# Altium PCB pcb_AGV_Control.PcbDoc (part 1 of 2)
Units mm, origin at the board's own origin, x right, y up, seen from the top; angles counter-clockwise.
Board outline 149.75 x 149.75 mm, 2 copper layers (Top Layer, Bottom Layer); 286 components, 239 nets, 906 pads, 160 vias.
Unrouted connection lines stored in the file: 6.
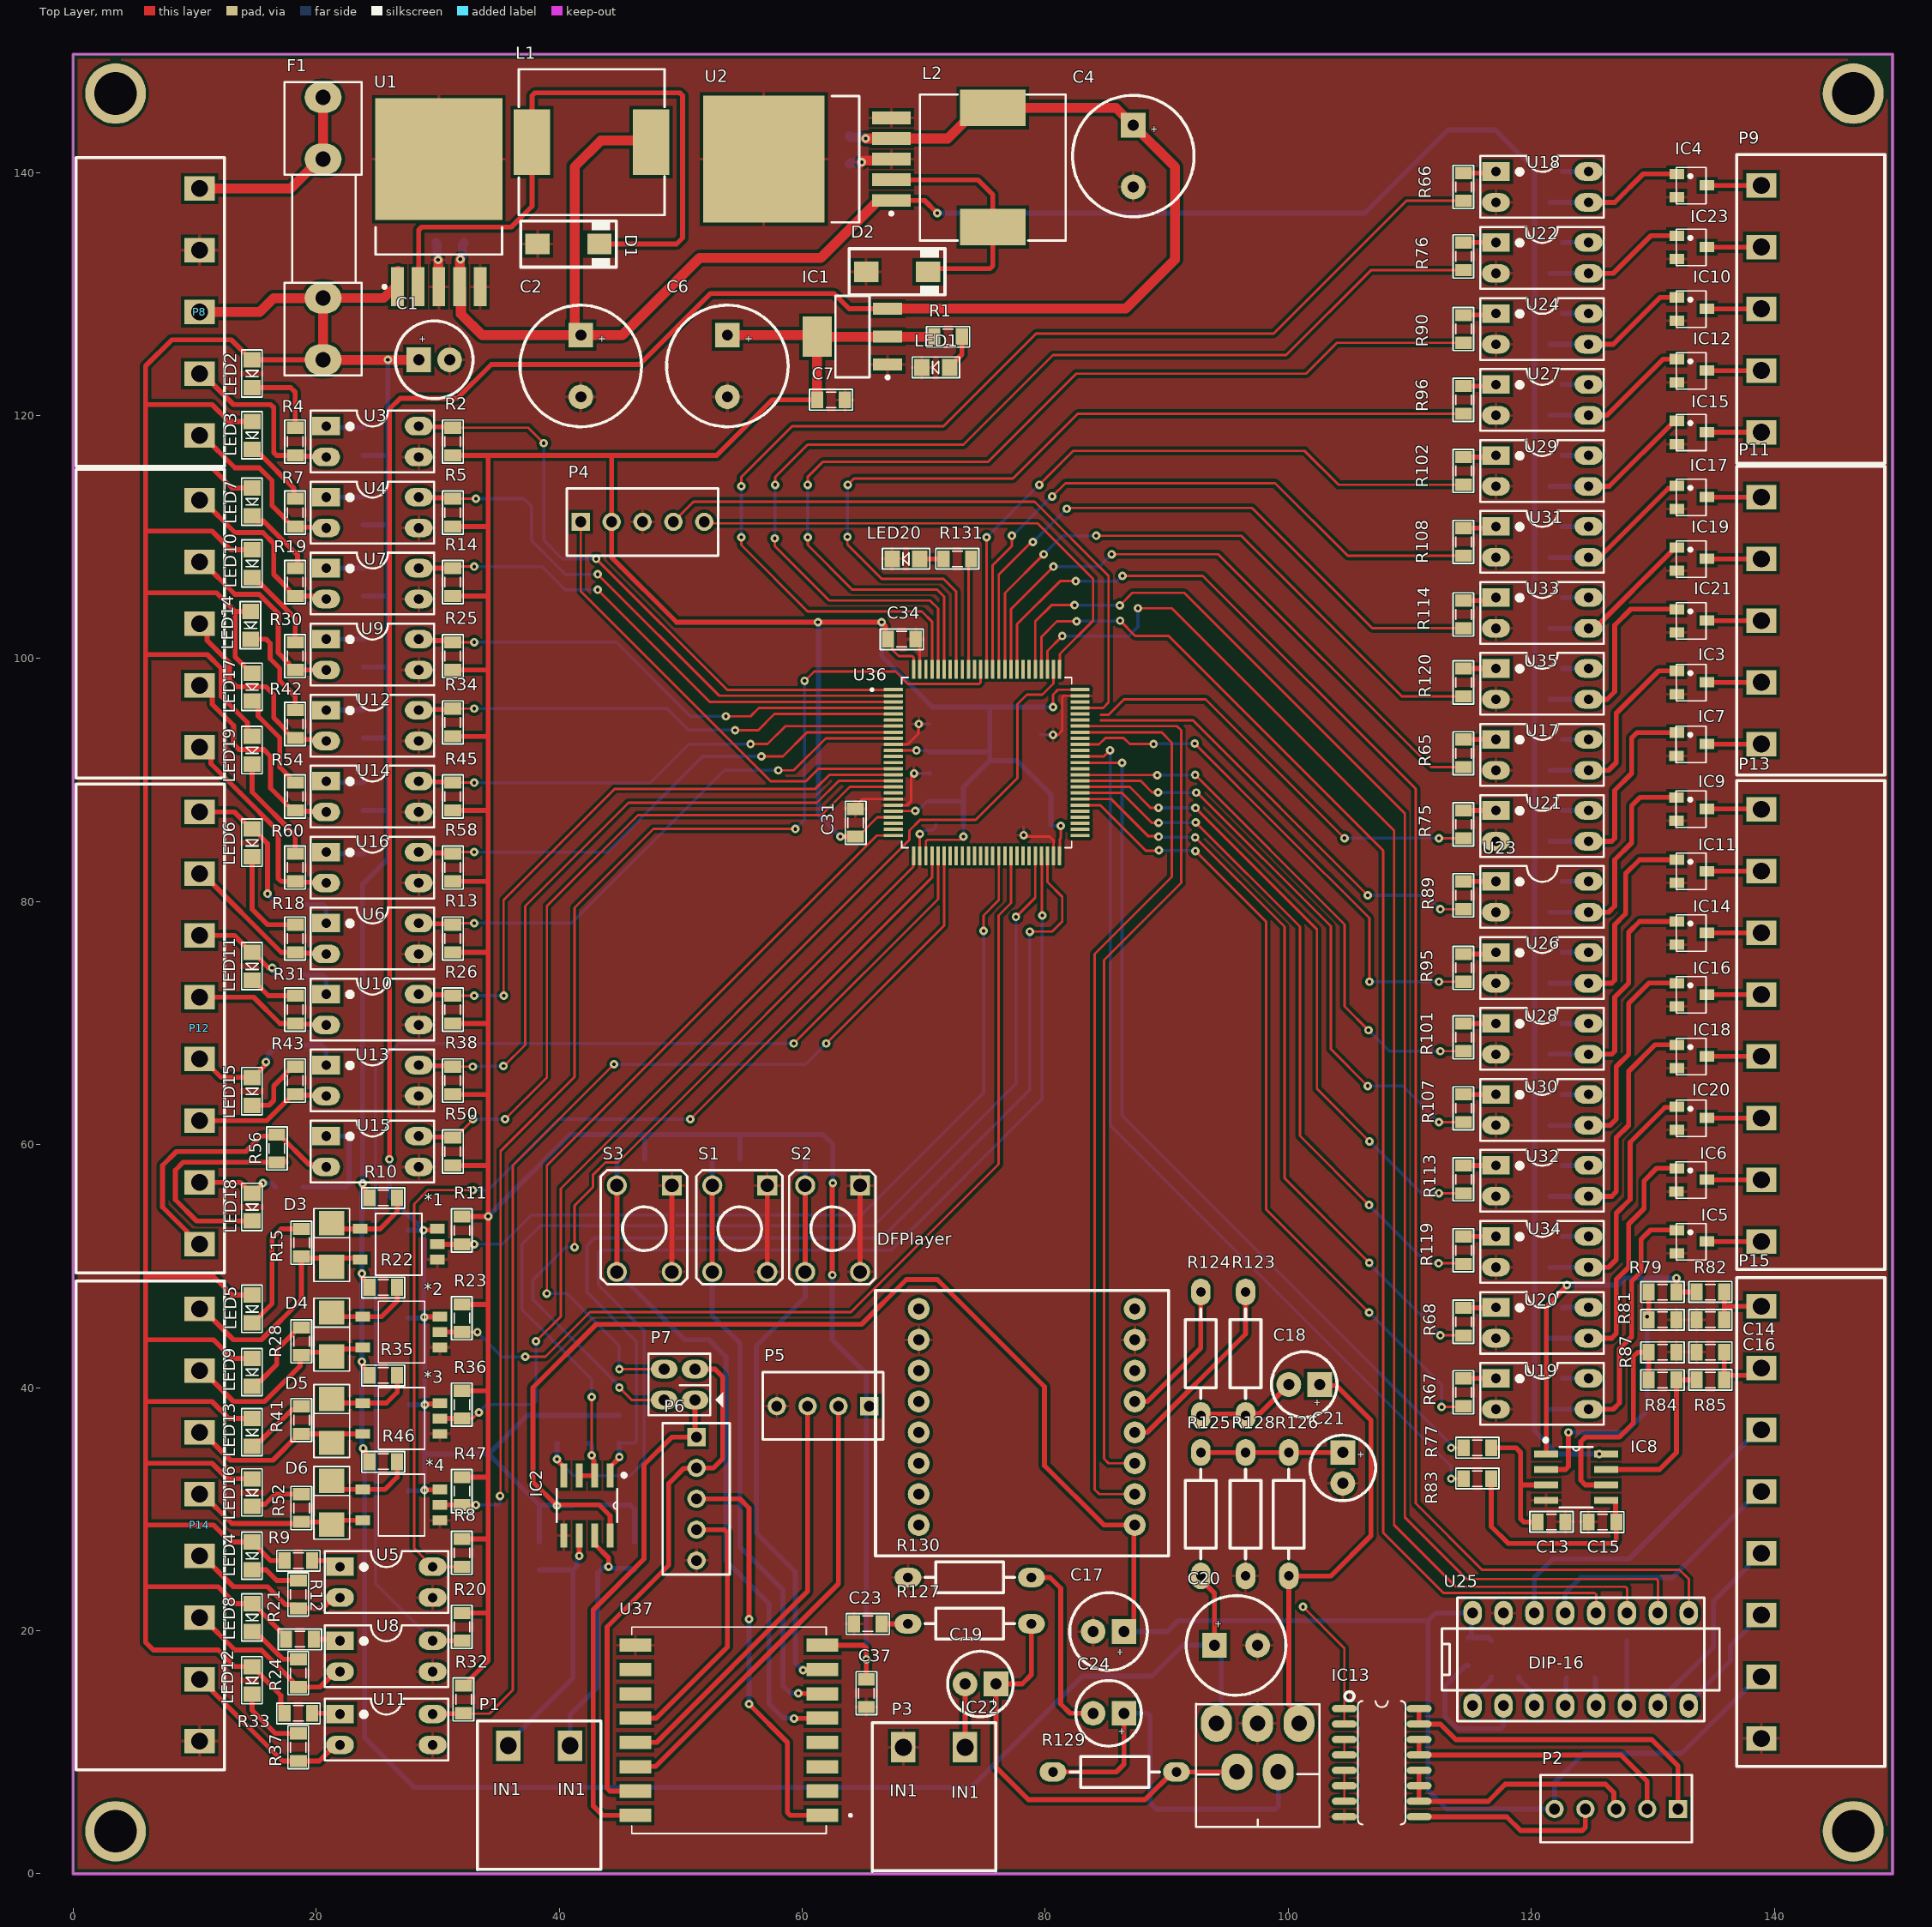
[diagram p0: Top Layer view]
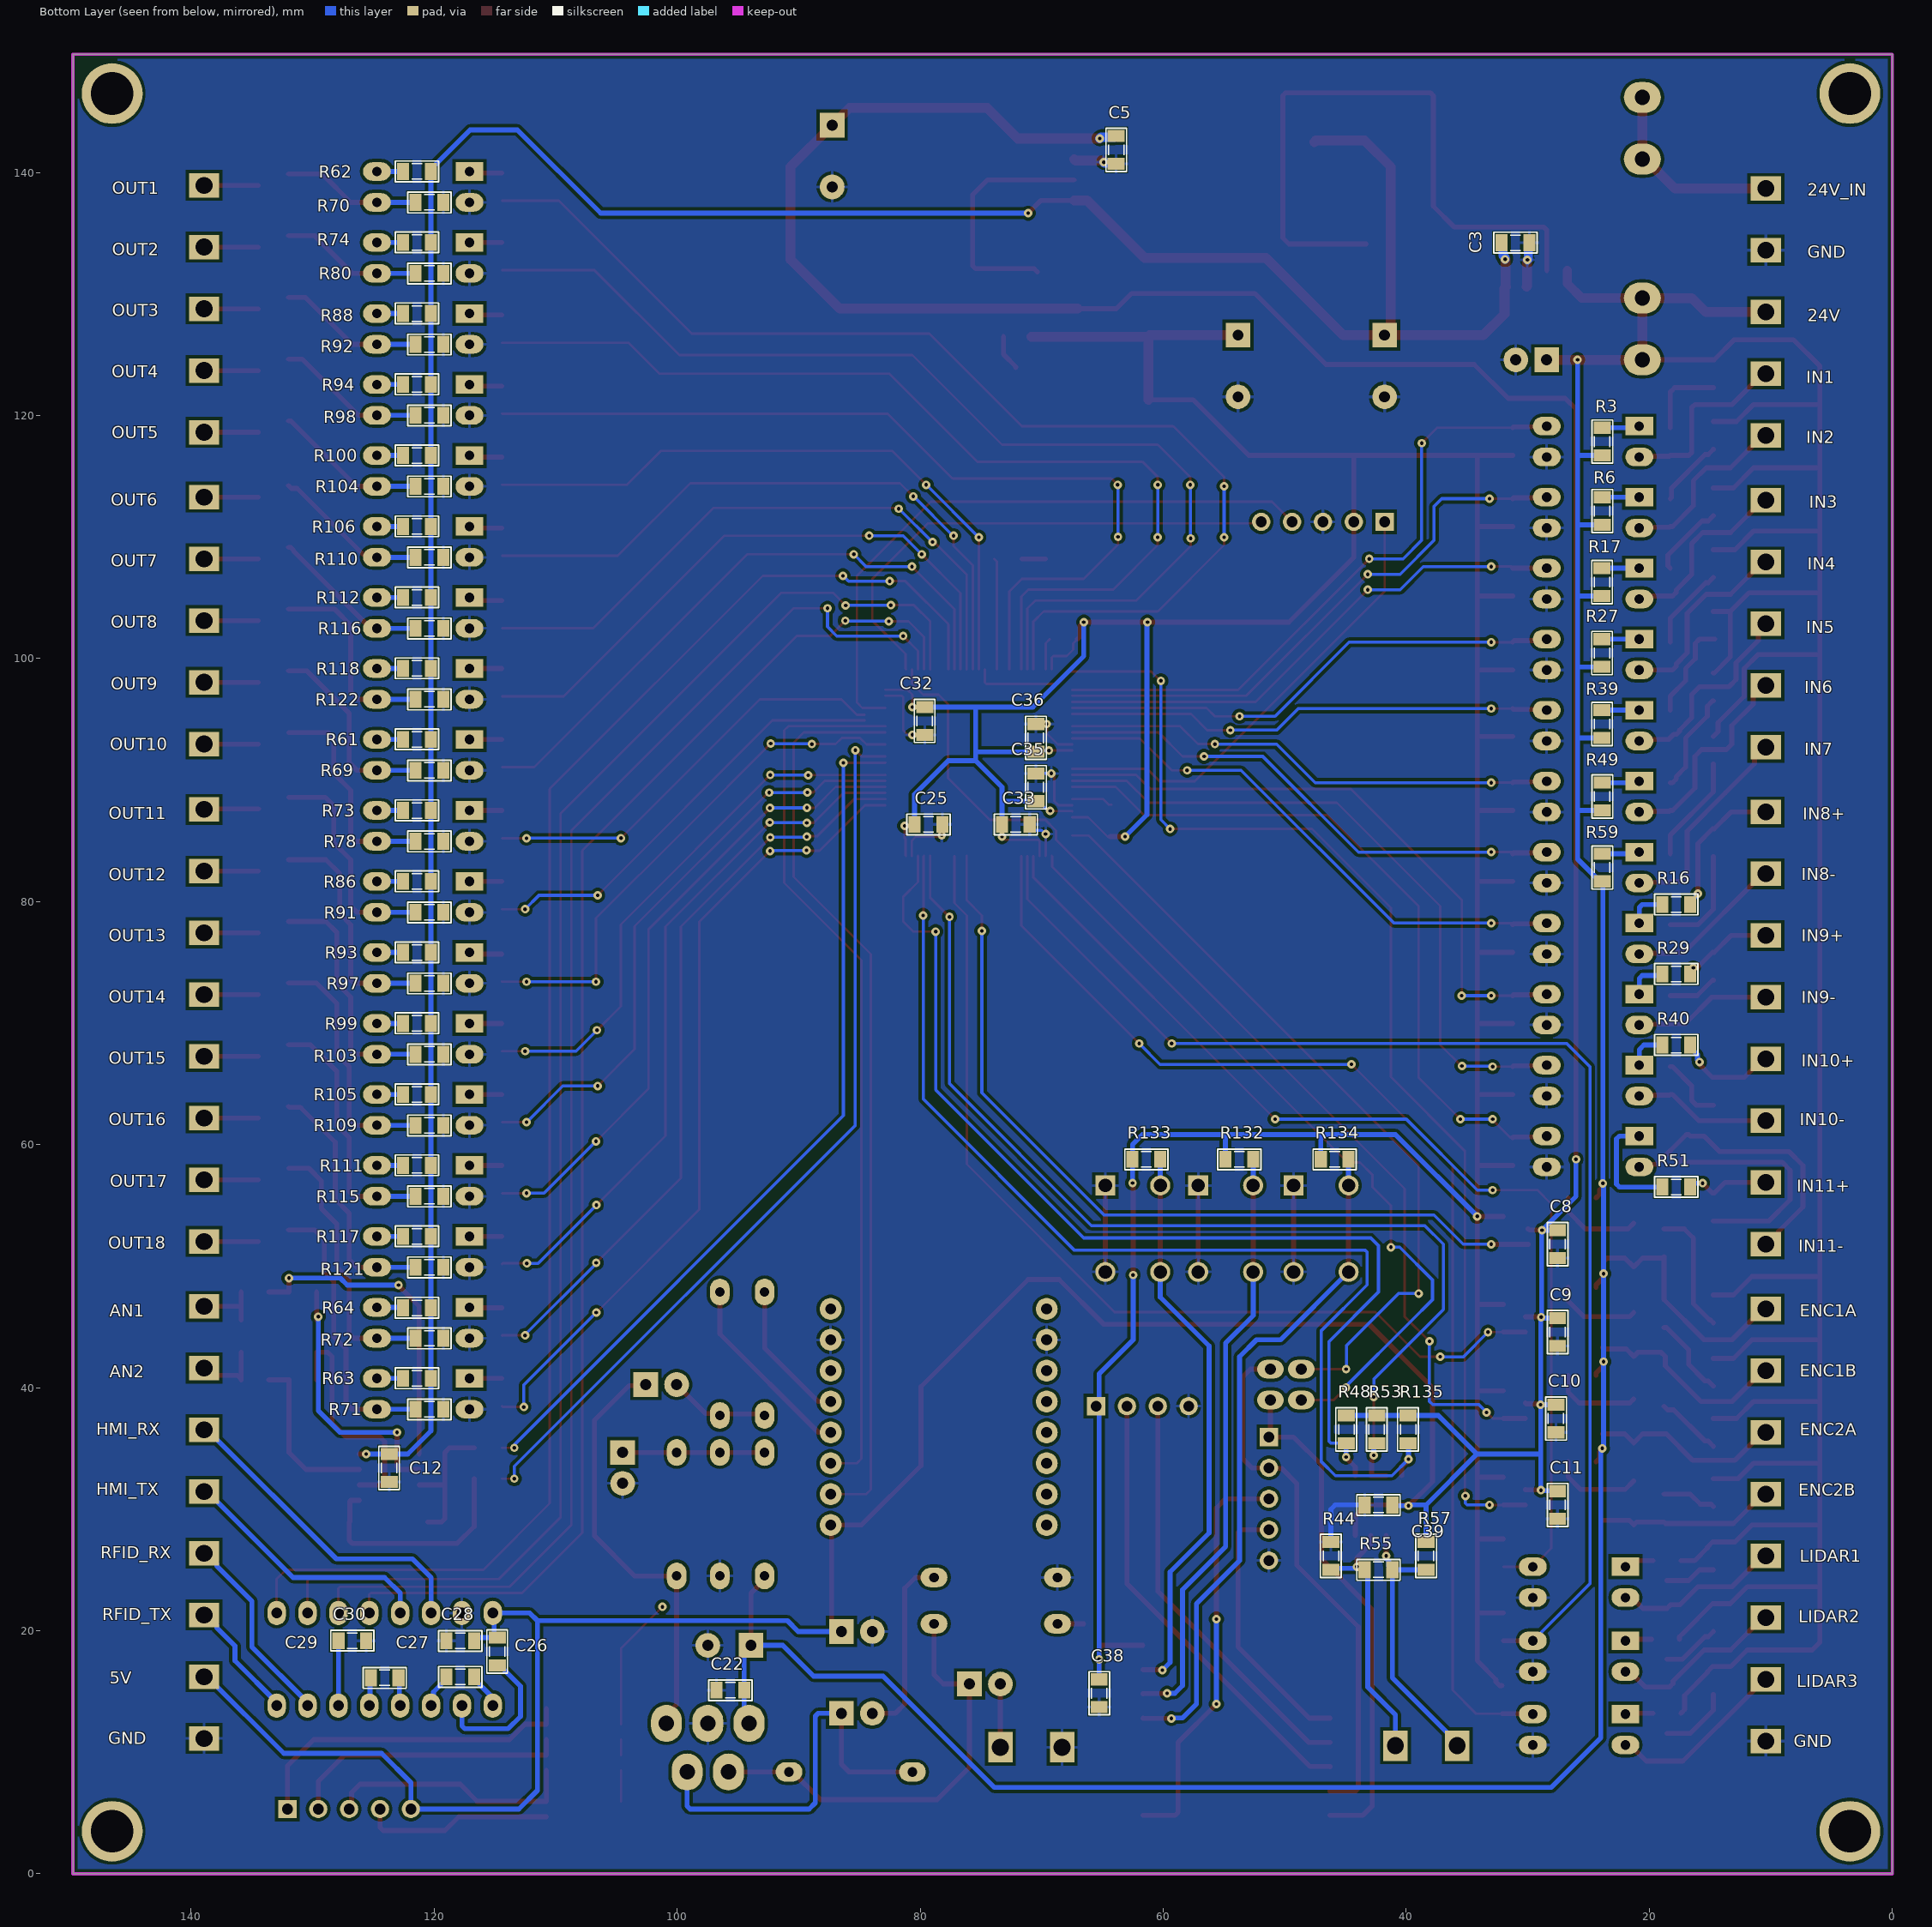
[diagram p1: Bottom Layer view, seen from below]

## Layer stack, top to bottom
Top Solder: solder mask 0.0102, Solder Resist, Dk 3.5
Top Layer: signal copper 0.0356
Dielectric 1: dielectric 0.32, FR-4, Dk 4.8
Bottom Layer: signal copper 0.0356
Bottom Solder: solder mask 0.0102, Solder Resist, Dk 3.5

## Board outline
-0.013,0 149.733,0 149.733,149.746 -0.013,149.746

## Design rules (kind name [scope] priority, off if disabled: settings)
Clearance [All] p1: gap=0.254 ignorepadtopadclearanceinfootprint=TRUE except(0.127: Arc-SMDPad Track-SMDPad; 0.33: Arc-THPad Track-THPad; 0.508: THPad-THPad Via-Via)
ComponentClearance [All] p1: gap=0.254 collisioncheckmode=3 verticalgap=0 showdistances=FALSE
Height [All] p1 off: minheight=0 maxheight=25.4 prefheight=12.7
HoleToHoleClearance [All] p1: gap=0.508 allowstackedmicrovias=TRUE
PolygonConnect [All] p1: connectstyle=Relief reliefconductorwidth=0.254 reliefentries=4 polygonreliefangle="90 Angle" airgapwidth=0.254
RoutingVias [All] p1: holewidth=0.3 width=0.7 viastyle="Through Hole" minholewidth=0.3 minwidth=0.7 maxholewidth=0.3 maxwidth=0.7
SilkToSolderMaskClearance [IsPad] p1: minsilkscreentomaskgap=0.152 clearancetoexposedcopper=TRUE
SolderMaskExpansion [All] p1: expansion=0.102 istentingtop=FALSE
UnRoutedNet [All] p1: checkbadconnections=TRUE
Width [All] p1: maxlimit=0.813 minlimit=0.203 preferedwidth=0.406 bottomlayer_minwidth=0.254 bottomlayer_maxwidth=0.762 minimp=50.000000 maximp=50.000000 favimp=50.000000
25 further rules are at their usual default settings.

## Classes and differential pairs
component class sch_AGV_Speaker: C17 C18 C19 C20 C21 C22 C23 C24 DFPlayer IC22 P3 R123 R124 R125 R126 R127 R128 R129 R130
component class sch_AGV_Power: C1 C2 C3 C4 C5 C6 C7 D1 D2 F1 IC1 L1 L2 LED1 R1 U1 U2
component class sch_AGV_Output: C12 C13 C14 C15 C16 C26 C27 C28 C29 C30 IC3 IC4 IC5 IC6 IC7 IC8 IC9 IC10 IC11 IC12 IC13 IC14 IC15 IC16 IC17 IC18 IC19 IC20 IC21 IC23 P2 R61 R62 R63 R64 R65 R66 R67 R68 R69 R70 R71 R72 R73 R74 R75 R76 R77 R78 R79 R80 R81 R82 R83 R84 R85 R86 R87 R88 R89 R90 R91 R92 R93 R94 R95 R96 R97 R98 R99 R100 R101 R102 R103 R104 R105 R106 R107 R108 R109 R110 R111 R112 R113 R114 R115 R116 R117 R118 R119 R120 R121 R122 U17 U18 U19 U20 U21 U22 U23 U24 U25 U26 U27 U28 U29 U30 U31 U32 U33 U34 U35
component class sch_AGV_MCU: C25 C31 C32 C33 C35 C36 LED20 P4 R131
component class sch_AGV_Input: *1 *2 *3 *4 C8 C9 C10 C11 C39 D3 D4 D5 D6 IC2 LED2 LED3 LED4 LED5 LED6 LED7 LED8 LED9 LED10 LED11 LED12 LED13 LED14 LED15 LED16 LED17 LED18 LED19 P1 R2 R3 R4 R5 R6 R7 R8 R9 R10 R11 R12 R13 R14 R15 R16 R17 R18 R19 R20 R21 R22 R23 R24 R25 R26 R27 R28 R29 R30 R31 R32 R33 R34 R35 R36 R37 R38 R39 R40 R41 R42 R43 R44 R45 R46 R47 R48 R49 R50 R51 R52 R53 R54 R55 R56 R57 R58 R59 R60 R135 U3 U4 U5 U6 U7 U8 U9 U10 U11 U12 U13 U14 U15 U16
component class sch_AGV_Header: P8 P9 P11 P13 P14 P15
component class sch_AGV_ESP: C37 C38 P5 P6 P7 R132 R133 R134 S1 S2 S3 U37

## Components (designator, comment, footprint, x,y, rotation, side; value= is the part's Value field where it differs from the comment)
*1 "TLP115A" SOP5 26.162,51.803 r270 top
*2 "TLP115A" SOP5 26.391,44.577 r270 top
*3 "TLP115A" SOP5 26.391,37.465 r270 top
*4 "TLP115A" SOP5 26.391,30.353 r270 top
C1 "35V-100uF" CAP_D6.3 28.448,124.587 r0 top
C2 "16V-1000uF" CAP_D10 41.783,126.619 r270 top
C3 "104" CAP_0805 31.014,134.217 r0 bottom value=33p
C4 "16V-1000uF" CAP_D10 87.249,143.891 r270 top
C5 "104" CAP_0805 63.881,141.859 r90 bottom value=33p
C6 "6.3V-220uF" CAP_D10 53.848,126.619 r270 top
C7 "104" CAP_0805 62.378,121.285 r180 top value=33p
C8 "104" CAP_0805 27.559,51.816 r90 bottom value=33p
C9 "104" CAP_0805 27.559,44.577 r90 bottom value=33p
C10 "104" CAP_0805 27.686,37.465 r90 bottom value=33p
C11 "104" CAP_0805 27.559,30.353 r90 bottom value=33p
C12 "1uF" CAP_0805 123.698,33.401 r270 bottom value=33p
C13 "10nF" CAP_0805 121.666,28.956 r180 top value=33p
C14 "10nF" CAP_0805 134.747,45.593 r0 top value=33p
C15 "10nF" CAP_0805 125.857,28.956 r0 top value=33p
C16 "10nF" CAP_0805 134.747,42.926 r0 top value=33p
C17 "16V-220uF" CAP_D6.3 86.487,19.939 r180 top
C18 "50V-1uF" CAP_D5 102.589,40.259 r180 top
C19 "50V-2.2uF" CAP_D5 75.946,15.621 r180 top
C20 "50V-100uF" CAP_D8 93.931,18.796 r0 top
C21 "50V-22uF" CAP_D5 104.494,34.671 r270 top
C22 "0.1uF" CAP_0805 95.631,15.113 r180 bottom value=33p
C23 "220nF" CAP_0805 65.405,20.574 r0 top value=33p
C24 "50V-2.2uF" CAP_D5 86.487,13.208 r180 top
C25 "10nF" CAP_0805 79.327,86.36 r180 bottom value=33p
C26 "0.1uF" CAP_0805 114.808,18.288 r270 bottom value=33p
C27 "0.1uF" CAP_0805 117.856,16.216 r180 bottom value=33p
C28 "0.1uF" CAP_0805 117.856,19.177 r180 bottom value=33p
C29 "0.1uF" CAP_0805 124.079,16.129 r180 bottom value=33p
C30 "0.1uF" CAP_0805 126.739,19.177 r0 bottom value=33p
C31 "100nF" CAP_0805 64.389,86.487 r90 top value=33p
C32 "100nF" CAP_0805 79.629,94.869 r270 bottom value=33p
C33 "100nF" CAP_0805 72.136,86.36 r180 bottom value=33p
C34 "100nF" CAP_0805 68.199,101.6 r0 top value=33p
C35 "100nF" CAP_0805 70.485,89.408 r90 bottom value=33p
C36 "10nF" CAP_0805 70.485,93.472 r90 bottom value=33p
C37 "0.1uF" CAP_0805 65.278,14.859 r90 top value=33p
C38 "10uF" CAP_0805 65.278,14.859 r90 bottom value=33p
C39 "104" CAP_0805 42.291,30.353 r180 bottom value=33p
D1 "1N5821" SMA 40.767,134.112 r0 top value="Diode c?m 1N5408"
D2 "1N5820" SMA 67.818,131.826 r0 top value="Diode c?m 1N5408"
D3 "Diode" DIO-214AC(SMA) 21.336,51.816 r270 top value=1N5007
D4 "Diode" DIO-214AC(SMA) 21.336,44.45 r270 top value=1N5007
D5 "Diode" DIO-214AC(SMA) 21.336,37.338 r270 top value=1N5007
D6 "Diode" DIO-214AC(SMA) 21.336,30.607 r270 top value=1N5007
DFPlayer "DFPlayer" DFPlayer 78.74,37.592 r180 top
F1 "F1A" FUSE 20.574,135.382 r90 top value=Fuse
IC1 "LM1117" SOT223-4N 64.135,126.492 r180 top value=LM317
IC2 "MAX485" SOP8-PP 42.291,30.302 r270 top
IC3 "N_MOSFET" SOT23A 133.223,98.049 r270 top
IC4 "N_MOSFET" SOT23A 133.223,138.943 r270 top
IC5 "N_MOSFET" SOT23A 133.223,52.035 r270 top
IC6 "N_MOSFET" SOT23A 133.218,57.115 r270 top
IC7 "N_MOSFET" SOT23A 133.218,92.969 r270 top
IC8 "LM358" SOP8-PP 123.698,32.639 r0 top
IC9 "N_MOSFET" SOT23A 133.212,87.635 r270 top
IC10 "N_MOSFET" SOT23A 133.223,128.783 r270 top
IC11 "N_MOSFET" SOT23A 133.223,82.515 r270 top
IC12 "N_MOSFET" SOT23A 133.223,123.703 r270 top
IC13 "ULN2003A" SOIC16 107.696,9.144 r0 top
IC14 "N_MOSFET" SOT23A 133.223,77.435 r270 top
IC15 "N_MOSFET" SOT23A 133.223,118.623 r270 top
IC16 "N_MOSFET" SOT23A 133.223,72.355 r270 top
IC17 "N_MOSFET" SOT23A 133.223,113.289 r270 top
IC18 "N_MOSFET" SOT23A 133.223,67.275 r270 top
IC19 "N_MOSFET" SOT23A 133.223,108.209 r270 top
IC20 "N_MOSFET" SOT23A 133.223,62.195 r270 top
IC21 "N_MOSFET" SOT23A 133.223,103.129 r270 top
IC22 "TDA2030" DIP5SL1 97.487,10.382 r180 top
IC23 "N_MOSFET" SOT23A 133.223,133.863 r270 top
L1 "150uH" L-SMD-M-12x10 42.672,142.494 r90 top value="150 mH"
L2 "68uH" L-SMD-M-12x10 75.692,140.409 r180 top value="150 mH"
LED1 "LED" LED_BLUE_SMD_0805 70.993,123.952 r180 top value="LED 3 ly Single Colour"
LED2 "LED" LED_BLUE_SMD_0805 14.732,123.444 r270 top value="LED 3 ly Single Colour"
LED3 "LED" LED_BLUE_SMD_0805 14.732,118.364 r270 top value="LED 3 ly Single Colour"
LED4 "LED" LED_BLUE_SMD_0805 14.732,26.162 r270 top value="LED 3 ly Single Colour"
LED5 "LED" LED_BLUE_SMD_0805 14.732,46.482 r270 top value="LED 3 ly Single Colour"
LED6 "LED" LED_BLUE_SMD_0805 14.732,84.836 r270 top value="LED 3 ly Single Colour"
LED7 "LED" LED_BLUE_SMD_0805 14.732,112.903 r270 top value="LED 3 ly Single Colour"
LED8 "LED" LED_BLUE_SMD_0805 14.732,21.082 r270 top value="LED 3 ly Single Colour"
LED9 "LED" LED_BLUE_SMD_0805 14.732,41.275 r270 top value="LED 3 ly Single Colour"
LED10 "LED" LED_BLUE_SMD_0805 14.732,107.823 r270 top value="LED 3 ly Single Colour"
LED11 "LED" LED_BLUE_SMD_0805 14.732,74.676 r270 top value="LED 3 ly Single Colour"
LED12 "LED" LED_BLUE_SMD_0805 14.732,15.913 r270 top value="LED 3 ly Single Colour"
LED13 "LED" LED_BLUE_SMD_0805 14.732,36.322 r270 top value="LED 3 ly Single Colour"
LED14 "LED" LED_BLUE_SMD_0805 14.605,102.743 r270 top value="LED 3 ly Single Colour"
LED15 "LED" LED_BLUE_SMD_0805 14.732,64.389 r270 top value="LED 3 ly Single Colour"
LED16 "LED" LED_BLUE_SMD_0805 14.732,31.369 r270 top value="LED 3 ly Single Colour"
LED17 "LED" LED_BLUE_SMD_0805 14.732,97.663 r270 top value="LED 3 ly Single Colour"
LED18 "LED" LED_BLUE_SMD_0805 14.732,54.864 r270 top value="LED 3 ly Single Colour"
LED19 "LED" LED_BLUE_SMD_0805 14.732,92.456 r270 top value="LED 3 ly Single Colour"
LED20 "LED" LED_BLUE_SMD_0805 68.541,108.204 r180 top value="LED 3 ly Single Colour"
P1 "Terminal 2P" "BIG_Header 2" 40.894,10.541 r180 top
P2 "Header 5" HDR5 132.08,5.334 r180 top
P3 "Terminal 2P" "BIG_Header 2" 73.406,10.414 r180 top
P4 "Header 5" HDR5 41.783,111.252 r0 top
P5 "Header 4" HDR4 65.532,38.481 r180 top
P6 "Header 5" HDR5 51.308,35.941 r270 top
P7 "Header 2X2" JP2X2 51.181,38.989 r90 top
P8 "Terminal 5P" "BIG_Header 5" 10.414,118.364 r90 top
P9 "Terminal 5P" "BIG_Header 5" 138.938,138.938 r270 top
P10 "Terminal 5P" "BIG_Header 5" 10.414,92.71 r90 top
P11 "Terminal 5P" "BIG_Header 5" 138.938,113.284 r270 top
P12 "Terminal 8P" "BIG_Header 8" 10.414,51.816 r90 top
P13 "Terminal 8P" "BIG_Header 8" 138.938,87.59 r270 top
P14 "Terminal 8P" "BIG_Header 8" 10.414,10.922 r90 top
P15 "Terminal 8P" "BIG_Header 8" 138.938,46.696 r270 top
R1 "100" RES_SMD_0805 72.009,126.492 r0 top
R2 "10K" RES_SMD_0805 31.242,117.856 r90 top
R3 "1.2K" RES_SMD_0805 23.876,117.856 r90 bottom
R4 "1K" RES_SMD_0805 18.288,117.856 r270 top
R5 "10K" RES_SMD_0805 31.242,112.014 r90 top
R6 "1.2K" RES_SMD_0805 23.876,112.141 r90 bottom
R7 "1K" RES_SMD_0805 18.288,112.014 r270 top
R8 "10K" RES_SMD_0805 32.004,26.416 r270 top
R9 "1.2K" RES_SMD_0805 18.542,25.781 r0 top
R10 "1.2K" RES_SMD_0805 25.527,55.626 r0 top
R11 "10K" RES_SMD_0805 32.004,52.946 r270 top
R12 "1K" RES_SMD_0805 18.542,22.987 r270 top
R13 "10K" RES_SMD_0805 31.242,76.962 r90 top
R14 "10K" RES_SMD_0805 31.242,106.299 r90 top
R15 "1K" RES_SMD_0805 18.796,51.93 r270 top
R16 "1.2K" RES_SMD_0805 17.78,79.756 r0 bottom
R17 "1.2K" RES_SMD_0805 23.901,106.299 r90 bottom
R18 "1K" RES_SMD_0805 18.288,76.962 r270 top
R19 "1K" RES_SMD_0805 18.288,106.299 r270 top
R20 "10K" RES_SMD_0805 32.004,20.32 r270 top
R21 "1.2K" RES_SMD_0805 18.669,19.304 r0 top
R22 "1.2K" RES_SMD_0805 25.527,48.26 r0 top
R23 "10K" RES_SMD_0805 32.004,45.72 r270 top
R24 "1K" RES_SMD_0805 18.542,16.51 r270 top
R25 "10K" RES_SMD_0805 31.242,100.203 r90 top
R26 "10K" RES_SMD_0805 31.242,71.12 r90 top
R27 "1.2K" RES_SMD_0805 23.901,100.457 r90 bottom
R28 "1K" RES_SMD_0805 18.796,43.815 r270 top
R29 "1.2K" RES_SMD_0805 17.78,74.041 r0 bottom
R30 "1K" RES_SMD_0805 18.288,100.203 r270 top
R31 "1K" RES_SMD_0805 18.288,71.12 r270 top
R32 "10K" RES_SMD_0805 32.131,14.351 r270 top
R33 "1.2K" RES_SMD_0805 18.542,13.208 r0 top
R34 "10K" RES_SMD_0805 31.242,94.742 r90 top
R35 "1.2K" RES_SMD_0805 25.527,41.021 r0 top
R36 "10K" RES_SMD_0805 32.004,38.608 r270 top
R37 "1K" RES_SMD_0805 18.542,10.414 r270 top
R38 "10K" RES_SMD_0805 31.242,65.278 r90 top
R39 "1.2K" RES_SMD_0805 23.901,94.615 r90 bottom
R40 "1.2K" RES_SMD_0805 17.78,68.199 r0 bottom
R41 "1K" RES_SMD_0805 18.796,37.338 r270 top
R42 "1K" RES_SMD_0805 18.288,94.615 r270 top
R43 "1K" RES_SMD_0805 18.288,65.278 r270 top
R44 "20K" RES_SMD_0805 46.203,26.162 r270 bottom
R45 "10K" RES_SMD_0805 31.242,88.646 r90 top
R46 "1.2K" RES_SMD_0805 25.527,33.909 r0 top
R47 "10K" RES_SMD_0805 32.004,31.496 r270 top
R48 "20K" RES_SMD_0805 44.933,36.576 r270 bottom
R49 "1.2K" RES_SMD_0805 23.876,88.646 r90 bottom
R50 "10K" RES_SMD_0805 31.242,59.436 r90 top
R51 "1.2K" RES_SMD_0805 17.78,56.515 r0 bottom
R52 "1K" RES_SMD_0805 18.796,30.099 r270 top
R53 "20K" RES_SMD_0805 42.443,36.576 r90 bottom
R54 "1K" RES_SMD_0805 18.288,88.646 r270 top
R55 "120" RES_SMD_0805 42.291,25.019 r180 bottom
R56 "1K" RES_SMD_0805 16.764,59.69 r90 top
R57 "20K" RES_SMD_0805 38.379,26.162 r90 bottom
R58 "10K" RES_SMD_0805 31.242,82.804 r90 top
R59 "1.2K" RES_SMD_0805 23.876,82.804 r90 bottom
R60 "1K" RES_SMD_0805 18.288,82.804 r270 top
R61 "2K" RES_SMD_0805 121.412,93.345 r0 bottom
R62 "2K" RES_SMD_0805 121.412,140.081 r0 bottom
R63 "2K" RES_SMD_0805 121.412,40.767 r0 bottom
R64 "2K" RES_SMD_0805 121.412,46.569 r0 bottom
R65 "100" RES_SMD_0805 114.427,92.202 r270 top
R66 "100" RES_SMD_0805 114.427,138.811 r270 top
R67 "100" RES_SMD_0805 114.427,39.624 r270 top
R68 "100" RES_SMD_0805 114.427,45.426 r270 top
R69 "10K" RES_SMD_0805 120.396,90.805 r180 bottom
R70 "10K" RES_SMD_0805 120.396,137.541 r180 bottom
R71 "10K" RES_SMD_0805 120.396,38.227 r180 bottom
R72 "10K" RES_SMD_0805 120.396,44.069 r180 bottom
R73 "2K" RES_SMD_0805 121.412,87.503 r0 bottom
R74 "2K" RES_SMD_0805 121.412,134.239 r0 bottom
R75 "100" RES_SMD_0805 114.427,86.36 r270 top
R76 "100" RES_SMD_0805 114.427,133.096 r270 top
R77 "1.5K" RES_SMD_0805 115.57,35.052 r180 top
R78 "10K" RES_SMD_0805 120.396,84.963 r180 bottom
R79 "60K" RES_SMD_0805 130.81,47.879 r0 top
R80 "10K" RES_SMD_0805 120.396,131.699 r180 bottom
R81 "100K" RES_SMD_0805 130.81,45.593 r0 top
R82 "1.5K" RES_SMD_0805 134.747,47.879 r180 top
R83 "1.5K" RES_SMD_0805 115.57,32.512 r180 top
R84 "60K" RES_SMD_0805 130.81,40.64 r0 top
R85 "1.5K" RES_SMD_0805 134.747,40.64 r180 top
R86 "2K" RES_SMD_0805 121.412,81.661 r0 bottom
R87 "100K" RES_SMD_0805 130.81,42.926 r0 top
R88 "2K" RES_SMD_0805 121.412,128.397 r0 bottom
R89 "100" RES_SMD_0805 114.427,80.518 r270 top
R90 "100" RES_SMD_0805 114.427,127.127 r270 top
R91 "10K" RES_SMD_0805 120.396,79.121 r180 bottom
R92 "10K" RES_SMD_0805 120.396,125.857 r180 bottom
R93 "2K" RES_SMD_0805 121.412,75.819 r0 bottom
R94 "2K" RES_SMD_0805 121.412,122.555 r0 bottom
R95 "100" RES_SMD_0805 114.427,74.549 r270 top
R96 "100" RES_SMD_0805 114.427,121.285 r270 top
R97 "10K" RES_SMD_0805 120.396,73.279 r180 bottom
R98 "10K" RES_SMD_0805 120.396,120.015 r180 bottom
R99 "2K" RES_SMD_0805 121.412,69.977 r0 bottom
R100 "2K" RES_SMD_0805 121.412,116.713 r0 bottom
R101 "100" RES_SMD_0805 114.427,68.834 r270 top
R102 "100" RES_SMD_0805 114.427,115.443 r270 top
R103 "10K" RES_SMD_0805 120.396,67.437 r180 bottom
R104 "10K" RES_SMD_0805 120.396,114.173 r180 bottom
R105 "2K" RES_SMD_0805 121.412,64.135 r0 bottom
R106 "2K" RES_SMD_0805 121.412,110.871 r0 bottom
R107 "100" RES_SMD_0805 114.427,62.992 r270 top
R108 "100" RES_SMD_0805 114.427,109.601 r270 top
R109 "10K" RES_SMD_0805 120.396,61.595 r180 bottom
R110 "10K" RES_SMD_0805 120.396,108.331 r180 bottom
R111 "2K" RES_SMD_0805 121.412,58.293 r0 bottom
R112 "2K" RES_SMD_0805 121.412,105.029 r0 bottom
R113 "100" RES_SMD_0805 114.427,57.15 r270 top
R114 "100" RES_SMD_0805 114.427,103.632 r270 top
R115 "10K" RES_SMD_0805 120.396,55.753 r180 bottom
R116 "10K" RES_SMD_0805 120.396,102.489 r180 bottom
R117 "2K" RES_SMD_0805 121.412,52.451 r0 bottom
R118 "2K" RES_SMD_0805 121.412,99.187 r0 bottom
R119 "100" RES_SMD_0805 114.427,51.308 r270 top
R120 "100" RES_SMD_0805 114.427,98.044 r270 top
R121 "10K" RES_SMD_0805 120.396,49.911 r180 bottom
R122 "10K" RES_SMD_0805 120.396,96.647 r180 bottom
R123 "100" "RES_1/4 W" 96.493,47.879 r270 top
R124 "100" "RES_1/4 W" 92.81,47.879 r270 top
R125 "100k" "RES_1/4 W" 92.81,34.671 r270 top
R126 "100k" "RES_1/4 W" 100.049,24.511 r90 top
R127 "1" "RES_1/4 W" 78.867,20.574 r180 top
R128 "100k" "RES_1/4 W" 96.493,34.671 r270 top
R129 "150K" "RES_1/4 W" 90.805,8.382 r180 top
R130 "4.7K" "RES_1/4 W" 68.707,24.384 r0 top
R131 "100" RES_SMD_0805 72.771,108.204 r180 top
R132 "10K" RES_SMD_0805 53.746,58.801 r180 bottom
R133 "10K" RES_SMD_0805 61.392,58.801 r180 bottom
R134 "10K" RES_SMD_0805 45.898,58.801 r180 bottom
R135 "20K" RES_SMD_0805 39.853,36.576 r270 bottom
S1 "SW-SMD" "BUTTON 4 PIN" 54.864,53.086 r270 top
S2 "SW-SMD" "BUTTON 4 PIN" 62.509,53.086 r270 top
S3 "SW-SMD" "BUTTON 4 PIN" 47.015,53.086 r270 top
U1 "LM2576T-5.0" TO-263 30.099,136.597 r90 top
U2 "LM2576T-5.0" TO-263 61.341,141.097 r180 top
U3 "PC817" DIP4/W0.3 20.828,119.126 r270 top
U4 "PC817" DIP4/W0.3 20.828,113.284 r270 top
U5 "PC817" DIP4/W0.3 21.971,25.273 r270 top